# KiCad board V1.1_XT30_version.kicad_pcb
date: 2023-04-19; rev: 1.6.1; company: Antmicro Ltd; note: www.antmicro.com
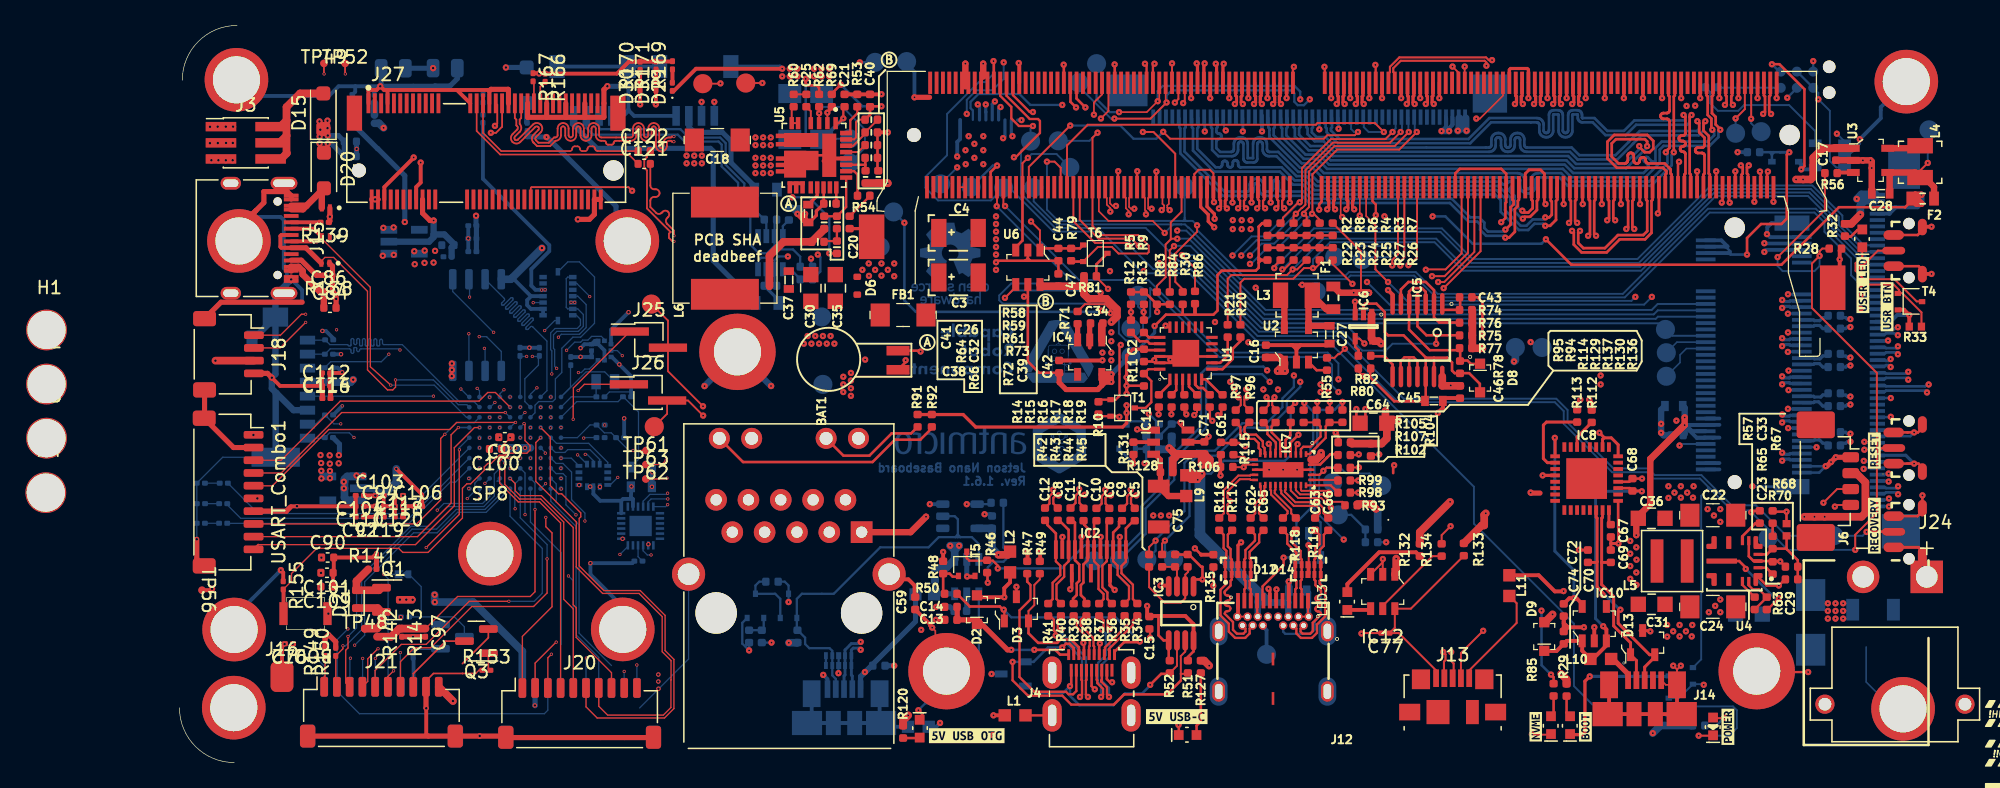
[diagram p0: board, top side]
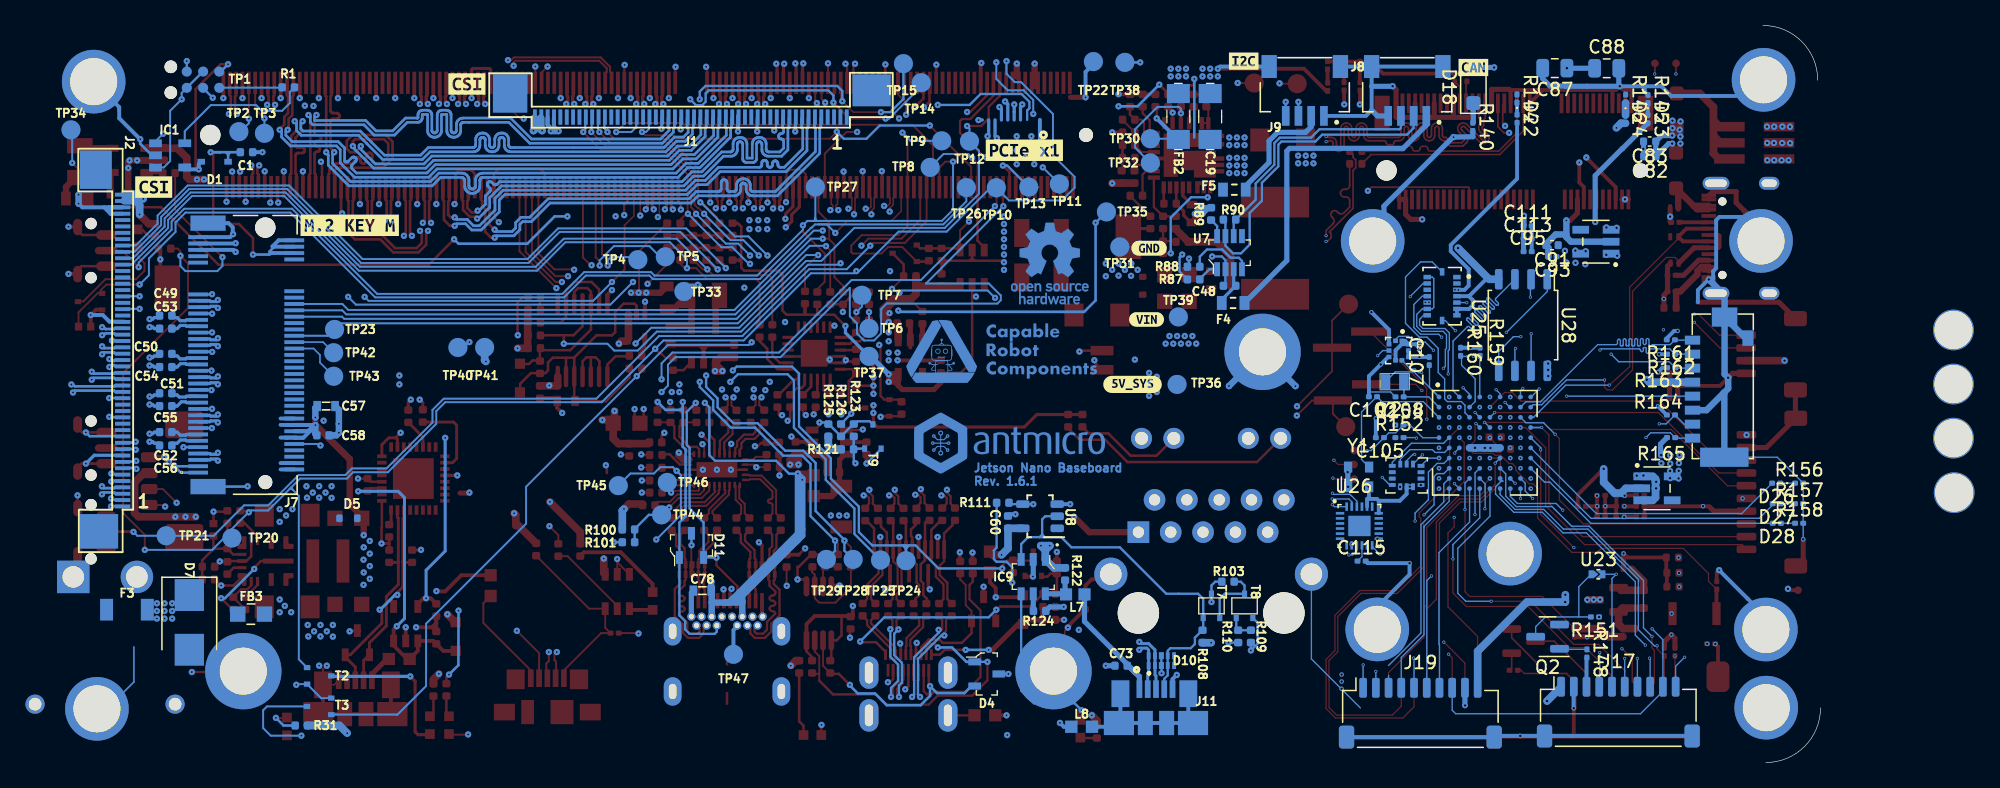
[diagram p1: board, bottom side, seen from below]

Outline 4.52 x 57.91 mm; copper layers: Top, In1.Cu (plane), In2.Cu (plane), In3_SIGNAL.Cu, In4_GND.Cu (plane), In5_3V3_SYS_SIGNAL.Cu, In6_GND.Cu (plane), Bottom. Coordinates in mm from the lower left corner of the outline.
Outline path: 0.22,53.61 arc(1.48,56.65) 4.52,57.91 ; 4.3,0 arc(1.26,1.26) 0,4.3
Stack: Top 0.035mm / dielectric 0.1857mm FR4 er 4.5 / In1.Cu 0.035mm / dielectric 0.1857mm FR4 er 4.5 / In2.Cu 0.035mm / dielectric 0.1857mm FR4 er 4.5 / In3_SIGNAL.Cu 0.035mm / dielectric 0.1857mm FR4 er 4.5 / In4_GND.Cu 0.035mm / dielectric 0.1857mm FR4 er 4.5 / In5_3V3_SYS_SIGNAL.Cu 0.035mm / dielectric 0.1857mm FR4 er 4.5 / In6_GND.Cu 0.035mm / dielectric 0.1857mm FR4 er 4.5 / Bottom 0.035mm

## Placement (name value [footprint] x y rotation side)
BAT1  -  [MS621FE-FL11E]  56.45 31.61 90 top
BOOT1  ~  [LED0603]  109.25 2.89 90 top
BOOT2  TD-1183SN-1.5H(3x2.5)  [3x2.5PushButton]  9.9 11.7 180 top
C1  C_100n_0402  [0402-cap]  123.66 47.95 0 bottom
C2  C_100n_0402  [0402-cap]  75.77 31.99 270 top
C3  C_330u_KEMET_B  [KEMET_B]  59.65 38.11 0 top
C4  C_330u_KEMET_B  [KEMET_B]  59.65 41.61 0 top
C5  C_100n_0402  [0402-cap]  75.05 19.49 270 top
C6  C_100n_0402  [0402-cap]  73.05 19.49 270 top
C7  C_100n_0402  [0402-cap]  71.03 19.49 270 top
C8  C_100n_0402  [0402-cap]  69 19.51 270 top
C9  C_100n_0402  [0402-cap]  74.05 19.49 270 top
C10  C_100n_0402  [0402-cap]  72.04 19.49 270 top
C11  C_100n_0402  [0402-cap]  70 19.51 270 top
C12  C_100n_0402  [0402-cap]  68 19.51 270 top
C13  C_4u7_0402  [0402-cap]  60.6 11.21 0 top
C14  C_4u7_0402  [0402-cap]  60.6 12.23 0 top
C15  C_100n_0402  [0402-cap]  76.2 10.98 90 top
C16  C_2u2_0402  [0402-cap]  85.35 32.31 90 top
C17  C_2u2_0402  [0402-cap]  130.15 47.81 270 top
C18  C_10u_1206_50V  [1206-cap]  42.25 48.91 180 top
C19  C_10u_1206_50V  [1206-cap]  47.95 50.76 90 bottom
C20  C_270p_25V_0402  [0402-res]  52.65 42.44 90 top
C21  C_100n_0402_50V  [0402-cap]  52.25 52.01 90 top
C22  C_10u_1206_50V  [1206-cap]  120.46 19.43 180 top
C23  C_1u_0402  [0402-cap]  125.16 15.29 90 top
C24  C_10u_1206_50V  [1206-cap]  120.46 12.23 180 top
C25  C_100n_0402  [0402-cap]  49.25 52.01 90 top
C26  C_33n_0402  [0402-cap]  51.1 43.91 180 top
C27  C_10u_0603  [0603-cap]  90.35 33.61 270 top
C28  C_10u_0603  [0603-cap]  133.65 44.71 180 top
C29  C_100n_0402  [0402-cap]  124.7 12.51 90 top
C30  C_47u_0805  [0805-cap]  49.6 37.29 90 top
C31  C_10u_0805  [0805-cap]  115.66 12.43 0 top
C32  C_1n2_50V_0402  [0402-res]  51.65 42.44 90 top
C33  C_6p_0402  [0402-cap]  125.16 19.29 270 top
C34  C_2u2_0402  [0402-cap]  72.06 34.5 180 top
C35  C_47u_0805  [0805-cap]  51.53 37.29 90 top
C36  C_47u_0805  [0805-cap]  115.66 19.19 0 top
C37  C_10u_0603  [0603-cap]  47.88 37.91 90 top
C38  C_1n2_50V_0402  [0402-res]  50.15 40.91 0 top
C39  C_100n_0402  [0402-cap]  54.9 46.01 270 top
C40  C_1u_0402  [0402-cap]  54.25 52.01 90 top
C41  C_4u7_0603  [0603-cap]  49.4 43.14 270 top
C42  C_1u_0402  [0402-cap]  69.11 31.1 90 top
C43  C_47n_0402  [0402-cap]  101.05 36.56 180 top
C44  C_100n_0402  [0402-cap]  69.05 39.91 90 top
C45  C_10u_0603  [0603-cap]  98.55 28.41 180 top
C46  C_100n_0402  [0402-cap]  100.6 29.11 90 top
C47  C_100n_0402  [0402-cap]  69.05 37.91 270 top
C48  C_100n_0402  [0402-cap]  46.43 37.46 180 bottom
C49  C_100n_0402  [0402-cap]  130.01 35.11 0 bottom
C50  C_100n_0402  [0402-cap]  130.01 32.11 0 bottom
C51  C_100n_0402  [0402-cap]  130.01 29.01 0 bottom
C52  C_100n_0402  [0402-cap]  130.01 25.96 0 bottom
C53  C_100n_0402  [0402-cap]  130.01 34.09 0 bottom
C54  C_100n_0402  [0402-cap]  130.01 31.07 0 bottom
C55  C_100n_0402  [0402-cap]  130.01 28.01 0 bottom
C56  C_100n_0402  [0402-cap]  130.01 24.91 0 bottom
C57  C_10u_0603  [0603-cap]  117.4 28.01 0 bottom
C58  C_100n_0402  [0402-cap]  117.65 25.71 0 bottom
C59  C_100p_0402  [0402-cap]  57.8 12.51 270 top
C60  C_100n_0402  [0402-cap]  63.83 18.89 270 bottom
C61  C_100n_0402  [0402-cap]  81.81 24.67 270 top
C62  C_100n_0402  [0402-cap]  84.15 18.73 90 top
C63  C_100n_0402  [0402-cap]  89.21 18.73 90 top
C64  C_47u_0805  [0805-cap]  93.8 26.66 0 top
C65  C_100n_0402  [0402-cap]  85.16 18.73 90 top
C66  C_100n_0402  [0402-cap]  90.25 18.73 90 top
C67  C_100n_0402  [0402-cap]  112.45 18.21 90 top
C68  C_100n_0402  [0402-cap]  114.15 21.83 270 top
C69  C_47p_0402  [0402-cap]  112.45 16.21 270 top
C70  C_47p_0402  [0402-cap]  110.65 16.21 270 top
C71  C_10u_0402  [0402-cap]  80.52 24.71 90 top
C72  C_1u_0402  [0402-cap]  108.75 11.99 90 top
C73  C_4u7_0402  [0402-cap]  54.95 7.61 180 bottom
C74  C_2u2_0402  [0402-cap]  108.75 9.81 270 top
C75  100u  [1206]  76.93 20.11 90 top
C76  1u  [C_0201_0603Metric]  8.61 9.34 180 top
C77  120u  [C_0201_0603Metric]  94.74 10.17 180 top
C78  C_10u_0603  [0603-cap]  87.85 13.51 180 bottom
C82  1uF(0402 16V 10%)  [C_0402_1005Metric]  13.41 47.63 0 bottom
C83  1uF(0402 16V 10%)  [C_0402_1005Metric]  13.42 48.79 0 bottom
C84  1uF(0402 16V 10%)  [C_0402_1005Metric]  11.82 35.73 0 top
C86  100nF(0201 16V 10%)  [C_0201_0603Metric]  11.7 37.01 0 top
C87  22uF(0805 35V 20%)  [C_0805_2012Metric]  20.88 54.56 0 bottom
C88  22uF(0805 35V 20%)  [C_0805_2012Metric]  16.8 54.55 180 bottom
C90  1uF(0402 10V 10%)  [C_0402_1005Metric]  11.64 16.11 0 top
C91  1uF(0402 10V 10%)  [C_0402_1005Metric]  21.09 40.65 0 bottom
C92  100nF(0201 10V 10%)  [C_0201_0603Metric]  14.16 19.3 180 top
C93  100nF(0201 10V 10%)  [C_0201_0603Metric]  21.06 39.74 0 bottom
C94  100nF(0201 10V 10%)  [C_0201_0603Metric]  15.73 20.14 0 top
C95  100nF(0201 10V 10%)  [C_0201_0603Metric]  23.01 40.14 180 bottom
C97  100nF(0201 10.0V 10%)  [C_0201_0603Metric]  19.33 10.21 270 top
C99  2.2uF(0402 6.3V 10%)  [C_0402_1005Metric]  25.56 25.56 180 top
C100  2.2uF(0402 6.3V 10%)  [C_0402_1005Metric]  24.83 24.64 180 top
C101  4.7uF(0402 10V)  [C_0402_1005Metric]  11.59 14.91 180 top
C102  15pF(0201 10V)  [C_0201_0603Metric]  35.16 28.74 0 bottom
C103  100nF(0201 6.3V)  [C_0201_0603Metric]  15.72 20.97 0 top
C104  1uF(0201 6.3V)  [C_0201_0603Metric]  14.17 20.98 180 top
C105  100nF(0201 10V 10%)  [C_0201_0603Metric]  34.62 25.53 0 bottom
C106  100nF(0201 10V 10%)  [C_0201_0603Metric]  18.75 20.13 0 top
C107  12.0pF(0201 10V)  [C_0201_0603Metric]  30.74 31.54 90 bottom
C108  12.0pF(0201 10V)  [C_0201_0603Metric]  33.07 28.73 0 bottom
C109  2.2uF(0402 6.3V 10%)  [C_0402_1005Metric]  11.59 13.82 180 top
C110  10nF(0201 10V 10%)  [C_0201_0603Metric]  14.16 20.13 180 top
C111  100nF(0201 10V 10%)  [C_0201_0603Metric]  23.01 42.18 180 bottom
C112  100nF(0201 10V 10%)  [C_0201_0603Metric]  11.52 29.59 0 top
C113  100nF(0201 10V 10%)  [C_0201_0603Metric]  23.01 41.16 180 bottom
C114  100nF(0201 10V 10%)  [C_0201_0603Metric]  11.55 28.6 0 top
C115  100nF(0201 10V 10%)  [C_0201_0603Metric]  36.06 15.83 180 bottom
C116  100.0nF(0201 10V)  [C_0201_0603Metric]  11.52 30.61 180 top
C117  100nF(0201 10V)  [C_0201_0603Metric]  17.24 19.31 0 top
C118  100.0nF(0201 10V)  [C_0201_0603Metric]  17.24 20.98 180 top
C119  100nF(0201 10V 10%)  [C_0201_0603Metric]  15.74 19.3 180 top
C120  100nF(0201 10V)  [C_0201_0603Metric]  17.24 20.13 180 top
C121  100n  [C_0402_1005Metric]  36.51 47.04 0 top
C122  100n  [C_0402_1005Metric]  36.51 48.04 0 top
D1  diode  [SOD-323#2]  126.16 47.2 180 bottom
D2  1N4148WS  [SOD-323]  62.65 12.01 90 top
D3  PESD2USB5UV-TR  [SOT-23s]  65.75 12.08 90 top
D4  PESD2USB5UV-TR  [SOT-23s]  65.5 6.96 180 bottom
D5  ESD5B5_0ST1G  [SOD-523_NP]  115.66 19.19 180 bottom
D6  ESD5B5_0ST1G  [SOD-523_NP]  53.25 37.46 270 top
D7  SMBJ33A  [D_SMB]  128.15 11.01 270 bottom
D8  1N4148WS  [SOD-323]  102.17 30.21 270 top
D9  1N4148WS  [SOD-323]  107.22 9.9 90 top
D10  -  [TPD4E05U06_PASS]  51.78 8.01 180 bottom
D11  PESD2USB5UV-TR  [SOT-23s]  88.7 17.06 90 bottom
D12  -  [TPD4E05U06_PASS]  83.16 15.16 0 top
D13  PESD2USB5UV-TR  [SOT-23s]  114.95 9.42 90 top
D14  -  [TPD4E05U06_PASS]  88.66 15.16 180 top
D15  DSS34(3A 500mV)  [D_SOD-123F]  11.3 51.17 90 top
D16  PESD12VV1BL  [PESD12VV1BL_315]  11.5 43.58 180 top
D17  -  [PESD5V0F1BL]  11.49 41.31 180 top
D18  SMF30CA(30V)  [D_SOD-123F]  27.28 53.21 90 bottom
D19  -  [PESD5V0F1BL]  11.46 39.23 180 top
D20  DSS34(3A 500mV)  [D_SOD-123F]  11.35 46.52 270 top
D21  BZX584C9V1  [D_SOD-523]  13.91 12.84 90 top
D22  LED_Blue(0201)  [LED_0201_0603Metric]  23.84 50.58 270 bottom
D23  LED_Blue(0201)  [LED_0201_0603Metric]  13.57 50.55 270 bottom
D24  LED_Blue(0201)  [LED_0201_0603Metric]  15.32 50.55 270 bottom
D26  LED_RED(0201)  [LED_0201_0603Metric]  3.48 21.95 0 bottom
D27  LED_BLUE(0201)  [LED_0201_0603Metric]  3.44 20.34 0 bottom
D28  LED_Green(0201)  [LED_0201_0603Metric]  3.43 18.8 0 bottom
D29  PWR LED  [LED_0201_0603Metric]  38.72 53.09 90 top
D30  LED  [LED_0201_0603Metric]  36.18 53.12 90 top
D31  LED  [LED_0201_0603Metric]  37.43 53.14 90 top
F1  04671.25NR  [0603-Fuse-Littelfuse-0467]  90.65 36.51 90 top
F2  04671.25NR  [0603-Fuse-Littelfuse-0467]  136.95 44.31 0 top
F3  3413_0329_22  [1206]  133.05 12.01 180 bottom
F4  04671.25NR  [0603-Fuse-Littelfuse-0467]  46.15 36.11 180 bottom
F5  04671.25NR  [0603-Fuse-Littelfuse-0467]  46.05 45.01 180 bottom
FB1  74279221100  [1206-res]  56.85 35.16 0 top
FB2  74279221100  [1206-res]  50.45 50.76 270 bottom
FB3  74279220181  [0805-res]  123.3 11.66 180 bottom
H1  MountingHole_Pad  [M2MountingHole]  -10.44 33.99 0 top
H2  MountingHole_Pad  [M2MountingHole]  -10.44 29.74 0 top
H3  MountingHole_Pad  [M2MountingHole]  -10.44 25.49 0 top
H4  MountingHole_Pad  [M2MountingHole]  -10.5 21.21 0 top
IC1  AT24CS01-ST  [SOT23-5]  129.66 47.7 180 bottom
IC2  ~  [SON-15]  71.6 15.8 180 top
IC3  PCA9517ADP  [MSOP-8]  78.69 11.72 270 top
IC4  TPS7A0518PDBVT  [SOT-23-5]  71.51 31.85 180 top
IC5  74HC00PW  [TSSOP-14]  97.26 33.18 270 top
IC6  SN74LVC1G126DCKR  [R-PDSO-G5]  93.02 34.25 270 top
IC7  HD3SS3220  [RNH0030A]  86.7 23 270 top
IC8  ~  [QFN-32]  110.55 22.31 0 top
IC9  NCP380LSNAJAAT1G  [SOT-23-6]  61.85 14.61 0 bottom
IC10  TPS7A0518PDBVT  [SOT-23-5]  111.15 10.91 0 top
IC11  NCP380LSNAJAAT1G  [SOT-23-6]  77.88 25.17 90 top
IC12  NCP380LSNAJAAT1G  [SOT-23-6]  94.53 13.44 180 top
J1  WE_68715014522  [WE_68715014522_ONE-SIDE]  88.75 50.11 0 bottom
J2  -  [WE_68715014022]  134.05 33.01 90 bottom
J3  Conn_02x03_Odd_Even  [PinHeader_2x03_P1.27mm_Vertical_SMD]  5.21 48.69 0 top
J4  46756-1001  [HDMI_Micro-D_Molex_46765-1x01]  71.66 3.7 0 top
J6  533980471  [Molex_PicoBlade_53398-0471_1x04-1MP_P1.25mm_Vertical]  130.05 22.11 270 top
J7  ~  [MDT580M01001]  123.68 32.03 0 bottom
J8  -  [SM04B-SRSS-TB-LF-SN]  32.47 50.81 0 bottom
J9  -  [SM04B-SRSS-TB-LF-SN]  40.52 50.81 0 bottom
J10  -  [SI-51005-F]  47.88 18.61 0 top
J11  ~  [CON-Molex-047346-0001]  52.21 4.5 180 bottom
J12  632723300011  [WE_632723300011]  85.91 7.08 0 top
J13  USB_A  [USB_Micro-B_Molex_47346-0001]  100.02 5.17 0 top
J14  ~  [CON-Molex-047346-0001]  115.11 5.2 0 top
J15  USB_C_Receptacle_USB2.0  [USB_C_Small]  5.11 41.19 270 top
J16  GND  [Conn_1pin_Power]  8.04 6.75 0 top
J17  UART_Combo  [01x10_MP_sh1.0_Hori]  15.89 3.96 180 bottom
J18  Upper computer connector  [01x04_MP_sh1.0_Hori]  3.85 32.08 270 top
J19  ESC  [01x10_MP_sh1.0_Hori]  31.44 3.88 180 bottom
J20  ESC  [01x10_MP_sh1.0_Hori]  31.44 3.86 0 top
J21  ESC  [01x10_MP_sh1.0_Hori]  15.87 3.95 0 top
J23  Micro_SD_Card  [TF-SMD_TF-021B-H265]  7.14 29.11 270 bottom
J24  XT30PW-M  [AMASS_XT30PW-M]  134.77 4.59 180 top
J25  Conn_01x02_Pin  [PinHeader_1x02_P1.27mm_Vertical_SMD_Pin1Left]  36.88 33.23 0 top
J26  Conn_01x02_Pin  [PinHeader_1x02_P1.27mm_Vertical_SMD_Pin1Left]  36.81 29.08 0 top
J27  Bus_M.2_Socket_E  [TE_2199119-4]  24.1 46.52 0 top
kibuzzard-63D93AC1  G***  [kibuzzard-63D93AC1]  130.95 45.21 180 bottom
kibuzzard-63D93AC1#2  G***  [kibuzzard-63D93AC1]  106.35 53.31 180 bottom
kibuzzard-63D93ADB  G***  [kibuzzard-63D93ADB]  62.55 48.11 180 bottom
kibuzzard-63D93AF6  G***  [kibuzzard-63D93AF6]  27.28 54.61 180 bottom
kibuzzard-63D93B6A  G***  [kibuzzard-63D93B6A]  52.95 34.81 180 bottom
kibuzzard-63D93B07  G***  [kibuzzard-63D93B07]  45.32 55.11 180 bottom
kibuzzard-63D93B47  G***  [kibuzzard-63D93B47]  52.75 40.41 180 bottom
kibuzzard-63D93B77  G***  [kibuzzard-63D93B77]  54.05 29.71 180 bottom
kibuzzard-63D93BB4  G***  [kibuzzard-63D93BB4]  115.55 42.21 180 bottom
kibuzzard-63D93C4B  G***  [kibuzzard-63D93C4B]  78.35 3.61 0 top
kibuzzard-63D93C7A  G***  [kibuzzard-63D93C7A]  106.55 2.81 90 top
kibuzzard-63D93C36  G***  [kibuzzard-63D93C36]  61.85 2.11 0 top
kibuzzard-63D93C97  G***  [kibuzzard-63D93C97]  110.45 2.81 90 top
kibuzzard-63D93CC5  G***  [kibuzzard-63D93CC5]  121.65 2.81 90 top
kibuzzard-63D93CF4  G***  [kibuzzard-63D93CF4]  132.25 37.51 90 top
kibuzzard-63D93D1C  G***  [kibuzzard-63D93D1C]  133.15 24.51 90 top
kibuzzard-63D93D10  G***  [kibuzzard-63D93D10]  134.15 35.81 90 top
kibuzzard-63D93D33  G***  [kibuzzard-63D93D33]  133.15 18.61 90 top
L1  BLM18SG121TN1D  [0603]  65.65 3.71 0 top
L2  BLM18SG121TN1D  [0603]  65.25 15.76 270 top
L3  -  [LQH32PN2R2NN0L]  87.75 36.71 0 top
L4  -  [LQH32PN2R2NN0L]  136.75 47.21 270 top
L5  XFL4020-222MEC  [XFL4015-122MEC]  117.26 15.83 0 top
L6  IHLP3232DZER3R3M01  [IHLP3232DZ]  42.85 40.41 270 top
L7  BLM18SG121TN1D  [0603#2]  58.55 13.21 180 bottom
L8  BLM18SG121TN1D  [0603]  58.05 2.81 180 bottom
L9  BLM18SG121TN1D  [0603]  79.1 21.75 90 top
L10  BLM18SG121TN1D  [0603]  111.66 8.14 180 top
L11  BLM18SG121TN1D  [0603]  104.48 13.9 270 top
LED1  ~  [LED0603]  58.15 2.71 270 top
LED2  ~  [LED0603]  79.15 2.16 0 top
LED3  ~  [LED0603]  91.75 12.64 90 top
M1  ~  [jetson-nano-connector]  123.9 7.3 0 top
M2  ~  [jetson-nano-module]  123.89 7.17 0 top
M2#2  ~  [jetson-nano-module]  123.89 7.17 0 top
N1  antmicro_logo  [antmicro-logo_scaled_15mm]  63.26 25.03 180 bottom
N2  crc_logo  [CRC_logo_15mm]  64.45 32.31 180 bottom
N3  oshw_logo  [oshw-logo]  60.55 39.21 180 bottom
NVME1  ~  [LED0603]  107.75 2.89 90 top
PWR1  ~  [LED0603]  120.48 2.79 90 top
Q1  AP40P05  [SOT-23]  16.81 12.79 0 top
Q2  SS8050(NPN BEC)  [SOT-23]  21.44 9.89 0 bottom
Q3  SS8050(NPN BEC)  [SOT-23]  23.33 9.54 180 top
R1  R_0R_0402  [0402-res]  120.37 53.05 0 bottom
R2  R_0R_0402  [0402-res]  85.47 41.89 90 top
R3  R_2k_0402  [0402-res]  89.58 41.89 90 top
R4  R_2k_0402  [0402-res]  88.55 41.89 90 top
R5  R_2k_0402  [0402-res]  74.75 36.48 270 top
R6  R_2k_0402  [0402-res]  87.52 41.89 90 top
R7  R_0R_0402  [0402-res]  90.6 41.89 90 top
R8  R_2k_0402  [0402-res]  86.5 41.89 90 top
R9  R_2k_0402  [0402-res]  75.77 36.48 270 top
R10  R_100k_0402  [0402-res]  72.2 27.86 90 top
R11  R_10k_0402  [0402-res]  75.77 30.07 90 top
R12  R_0R_0402  [0402-res]  74.75 34.27 90 top
R13  R_0R_0402  [0402-res]  75.77 34.27 90 top
R14  R_0R_0402  [0402-res]  76.94 28.41 90 top
R15  R_0R_0402  [0402-res]  77.94 28.41 90 top
R16  R_0R_0402  [0402-res]  78.94 28.41 90 top
R17  R_0R_0402  [0402-res]  79.94 28.41 90 top
R18  R_0R_0402  [0402-res]  80.94 28.41 90 top
R19  R_0R_0402  [0402-res]  81.95 28.41 90 top
R20  R_0R_0402  [0402-res]  83.35 33.91 270 top
R21  R_0R_0402  [0402-res]  82.35 33.91 270 top
R22  R_0R_0402  [0402-res]  85.47 39.96 270 top
R23  R_2k_0402  [0402-res]  86.5 39.96 270 top
R24  R_2k_0402  [0402-res]  87.53 39.96 270 top
R25  R_2k_0402  [0402-res]  88.55 39.96 270 top
R26  R_0R_0402  [0402-res]  90.6 39.96 270 top
R27  R_2k_0402  [0402-res]  89.58 39.96 270 top
R28  R_100k_0402  [0402-res]  130.09 40.38 0 top
R29  R_470R_0402  [0402-res]  108.97 5.7 90 top
R30  R_100k_0402  [0402-res]  78.82 36.48 90 top
R31  R_470R_0402  [0402-res]  119.35 2.91 180 bottom
R32  R_470R_0402  [0402-res]  130.84 41.84 90 top
R33  100k  [0402]  136.37 34.25 180 top
R34  R_5R6_0402  [0402-res]  75.25 12.01 270 top
R35  R_5R6_0402  [0402-res]  74.25 12.01 270 top
R36  R_5R6_0402  [0402-res]  73.25 12 270 top
R37  R_5R6_0402  [0402-res]  72.25 12 270 top
R38  R_5R6_0402  [0402-res]  71.25 12 270 top
R39  R_5R6_0402  [0402-res]  70.25 12 270 top
R40  R_5R6_0402  [0402-res]  69.25 12 270 top
R41  R_5R6_0402  [0402-res]  68.25 12 270 top
R42  R_0R_0402  [0402-res]  76.18 15.86 90 top
R43  R_0R_0402  [0402-res]  77.2 15.86 90 top
R44  R_2k_0402  [0402-res]  78.22 15.86 270 top
R45  R_2k_0402  [0402-res]  79.2 15.86 270 top
R46  R_2k_0402  [0402-res]  63.45 15.41 90 top
R47  R_0R_0402  [0402-res]  66.6 15.33 270 top
R48  R_2k_0402  [0402-res]  60 15.33 90 top
R49  R_2k_0402  [0402-res]  67.59 15.33 90 top
R50  R_0R_0402  [0402-res]  60.6 13.26 180 top
R51  R_2k_0402  [0402-res]  79.22 7.52 270 top
R52  R_2k_0402  [0402-res]  77.8 7.52 270 top
R53  R_2k_0402  [0402-res]  53.25 52.01 90 top
R54  R_316k_0402  [0402-res]  53.75 44.54 0 top
R55  R_10k_0402  [0402-res]  90.15 31.31 90 top
R56  R_10k_0402  [0402-res]  129.75 46.31 180 top
R57  R_10k_0402  [0402-res]  124.15 19.3 90 top
R58  R_0R_0402  [0402-res]  54.35 50.51 180 top
R59  R_60k4_1%_0402  [0402-res]  54.35 49.51 0 top
R60  R_3R3_0402  [0402-res]  48.25 52.01 270 top
R61  R_26k7_0402  [0402-res]  54.35 48.51 0 top
R62  R_100k_0402  [0402-res]  50.25 52.01 90 top
R63  R_100R_0402  [0402-res]  123.75 12.51 270 top
R64  R_0R_0402  [0402-res]  50.65 42.44 90 top
R65  R_1k_0402  [0402-res]  125.16 17.29 270 top
R66  R_8k66_1%_0402  [0402-res]  51.65 40.49 90 top
R67  R_100k_1%_0402  [0402]  126.26 18.29 270 top
R68  R_44k2_0402  [0402-res]  126.65 15.39 180 top
R69  R_100k_0402  [0402-res]  51.25 52.01 270 top
R70  R_0R_0402  [0402-res]  126.65 14.39 0 top
R71  R_0R_0402  [0402-res]  70.56 34.95 90 top
R72  R_52k3_0402  [0402-res]  53.9 46.01 90 top
R73  R_10k_0402  [0402-res]  54.35 47.51 0 top
R74  R_200k_0402  [0402-res]  101.05 35.56 0 top
R75  R_200k_0402  [0402-res]  101.05 33.56 0 top
R76  R_1k_0402  [0402-res]  101.05 34.56 180 top
R77  R_1k_0402  [0402-res]  101.05 32.56 180 top
R78  R_470k_0402  [0402-res]  100.6 31.06 270 top
R79  R_10k_0402  [0402-res]  70.05 39.91 270 top
R80  R_1k_0402  [0402-res]  93.1 30.96 0 top
R81  R_10k_0402  [0402-res]  71.55 38.21 180 top
R82  R_0R_0402  [0402-res]  93.1 31.96 0 top
R83  R_10k_0402  [0402-res]  76.78 36.48 270 top
R84  R_10k_0402  [0402-res]  77.8 36.48 270 top
R85  R_220R_0402  [0402-res]  107.95 5.71 90 top
R86  R_10k_0402  [0402-res]  79.78 36.54 270 top
R87  R_0R_0402  [0402-res]  49.25 37.96 0 bottom
R88  R_0R_0402  [0402-res]  49.25 38.96 0 bottom
R89  R_0R_0402  [0402-res]  47.88 43.11 270 bottom
R90  R_120R_0402  [0402-res]  46.43 42.66 0 bottom
R91  R_220R_0402  [0402-res]  57.99 26.86 90 top
R92  R_220R_0402  [0402-res]  59.11 26.86 270 top
R93  R_200k_0402  [0402-res]  92.05 20.21 0 top
R94  R_0R_0402  [0402-res]  86.11 27.2 270 top
R95  R_0R_0402  [0402-res]  85.17 27.19 270 top
R96  R_0R_0402  [0402-res]  84.05 27.21 270 top
R97  R_0R_0402  [0402-res]  82.98 27.2 270 top
R98  R_0R_0402  [0402-res]  91.5 21.21 180 top
R99  R_0R_0402  [0402-res]  91.5 22.16 180 top
R100  R_0R_0402  [0402-res]  93.65 18.31 0 bottom
R101  R_0R_0402  [0402-res]  93.65 17.31 180 bottom
R102  R_0R_0402  [0402-res]  91.5 23.16 180 top
R103  R_0R_0402  [0402-res]  46.55 14.21 0 bottom
R104  R_10k_0402  [0402-res]  93.6 24.57 270 top
R105  R_2k_0402  [0402-res]  91.52 25.16 180 top
R106  R_0R_0402  [0402-res]  82.27 23.23 0 top
R107  R_0R_0402  [0402-res]  91.5 24.16 180 top
R108  R_10k_0402  [0402-res]  48.55 9.91 270 bottom
R109  R_2k_0402  [0402-res]  44.75 9.91 270 bottom
R110  R_10k_0402  [0402-res]  45.75 9.91 90 bottom
R111  R_10k_0402  [0402-res]  64.24 20.41 180 bottom
R112  R_22R_0402  [0402-res]  110.95 27.21 90 top
R113  R_22R_0402  [0402-res]  109.8 27.23 90 top
R114  R_909k_0402  [0402-res]  87.3 27.2 90 top
R115  R_200k_0402  [0402-res]  82.8 24.67 90 top
R116  R_0R_0402  [0402-res]  81.69 18.73 270 top
R117  R_0R_0402  [0402-res]  82.7 18.73 270 top
R118  R_0R_0402  [0402-res]  86.69 18.73 270 top
R119  R_0R_0402  [0402-res]  87.7 18.73 270 top
R120  R_470R_0402  [0402-res]  56.85 2.41 90 top
R121  R_100k_0402  [0402-res]  76.45 24.61 0 bottom
R122  R_0R_0402  [0402-res]  59.35 14.81 270 bottom
R123  R_0R_0402  [0402-res]  75.95 26.11 90 bottom
R124  R_10k_0402  [0402-res]  61.35 11.91 180 bottom
R125  R_100k_0402  [0402-res]  77.95 26.11 270 bottom
R126  R_10k_0402  [0402-res]  76.95 26.11 270 bottom
R127  R_470R_0402  [0402-res]  80.24 7.52 90 top
R128  R_0R_0402  [0402-res]  77.55 22.81 180 top
R129  R_0R_0402  [0402-res]  88.32 27.2 90 top
R130  R_0R_0402  [0402-res]  90.35 27.2 90 top
R131  R_10k_0402  [0402-res]  74.95 24.68 270 top
R132  R_470R_0402  [0402-res]  97.44 16.71 90 top
R133  R_0R_0402  [0402-res]  100.9 16.74 270 top
R134  R_10k_0402  [0402-res]  99.16 16.7 90 top
R135  R_10k_0402  [0402-res]  81.23 15.85 270 top
R136  R_0R_0402  [0402-res]  91.36 27.21 270 top
R137  R_0R_0402  [0402-res]  89.33 27.2 270 top
R138  5.1kR(0201)  [R_0201_0603Metric]  11.7 38.28 180 top
R139  5.1kR(0201)  [R_0201_0603Metric]  11.41 42.45 180 top
R140  100kR(0201 50V)  [R_0201_0603Metric]  27.32 49.94 270 bottom
R141  100kR(0201 50V)  [R_0201_0603Metric]  15.16 15.19 0 top
R142  200.0kR(0201 50V)  [R_0201_0603Metric]  15.52 10.21 270 top
R143  22.0kR(0201 50V)  [R_0201_0603Metric]  17.46 10.21 270 top
R144  10kR(0201)  [R_0201_0603Metric]  23.85 52.17 270 bottom
R145  10kR(0201)  [R_0201_0603Metric]  13.56 52.13 270 bottom
R146  10kR(0201)  [R_0201_0603Metric]  15.31 52.16 270 bottom
R148  1kR(0201)  [R_0201_0603Metric]  18.36 8.57 270 bottom
R149  4.7kR(0201 25V)  [R_0201_0603Metric]  11.44 8.7 90 top
R150  4.7kR(0201 25V)  [R_0201_0603Metric]  12.28 8.7 90 top
R151  10kR(0201)  [R_0201_0603Metric]  17.72 11.44 0 bottom
R152  100R(0201)  [R_0201_0603Metric]  33.08 25.53 180 bottom
R153  1kR(0201)  [R_0201_0603Metric]  24.11 7.25 0 top
R154  10kR(0201)  [R_0201_0603Metric]  33.09 26.52 180 bottom
R155  10kR(0201)  [R_0201_0603Metric]  8.15 13.92 270 top
R156  10.0kR(0201)  [R_0201_0603Metric]  1.68 21.95 180 bottom
R157  10.0kR(0201)  [R_0201_0603Metric]  1.69 20.34 180 bottom
R158  10.0kR(0201)  [R_0201_0603Metric]  1.68 18.8 180 bottom
R159  4.7kR(0201)  [R_0201_0603Metric]  26.75 32.27 270 bottom
R160  4.7kR(0201)  [R_0201_0603Metric]  28.27 32.27 270 bottom